# Altium PCB Arcaboard.PcbDoc (part 2 of 2)
Units mm, origin at the board's own origin, x right, y up, seen from the top; angles counter-clockwise.
Board outline 130.94 x 103.89 mm, 2 copper layers (Top Layer, Bottom Layer), stack 1.581 mm thick; 165 components, 115 nets, 564 pads, 574 vias.
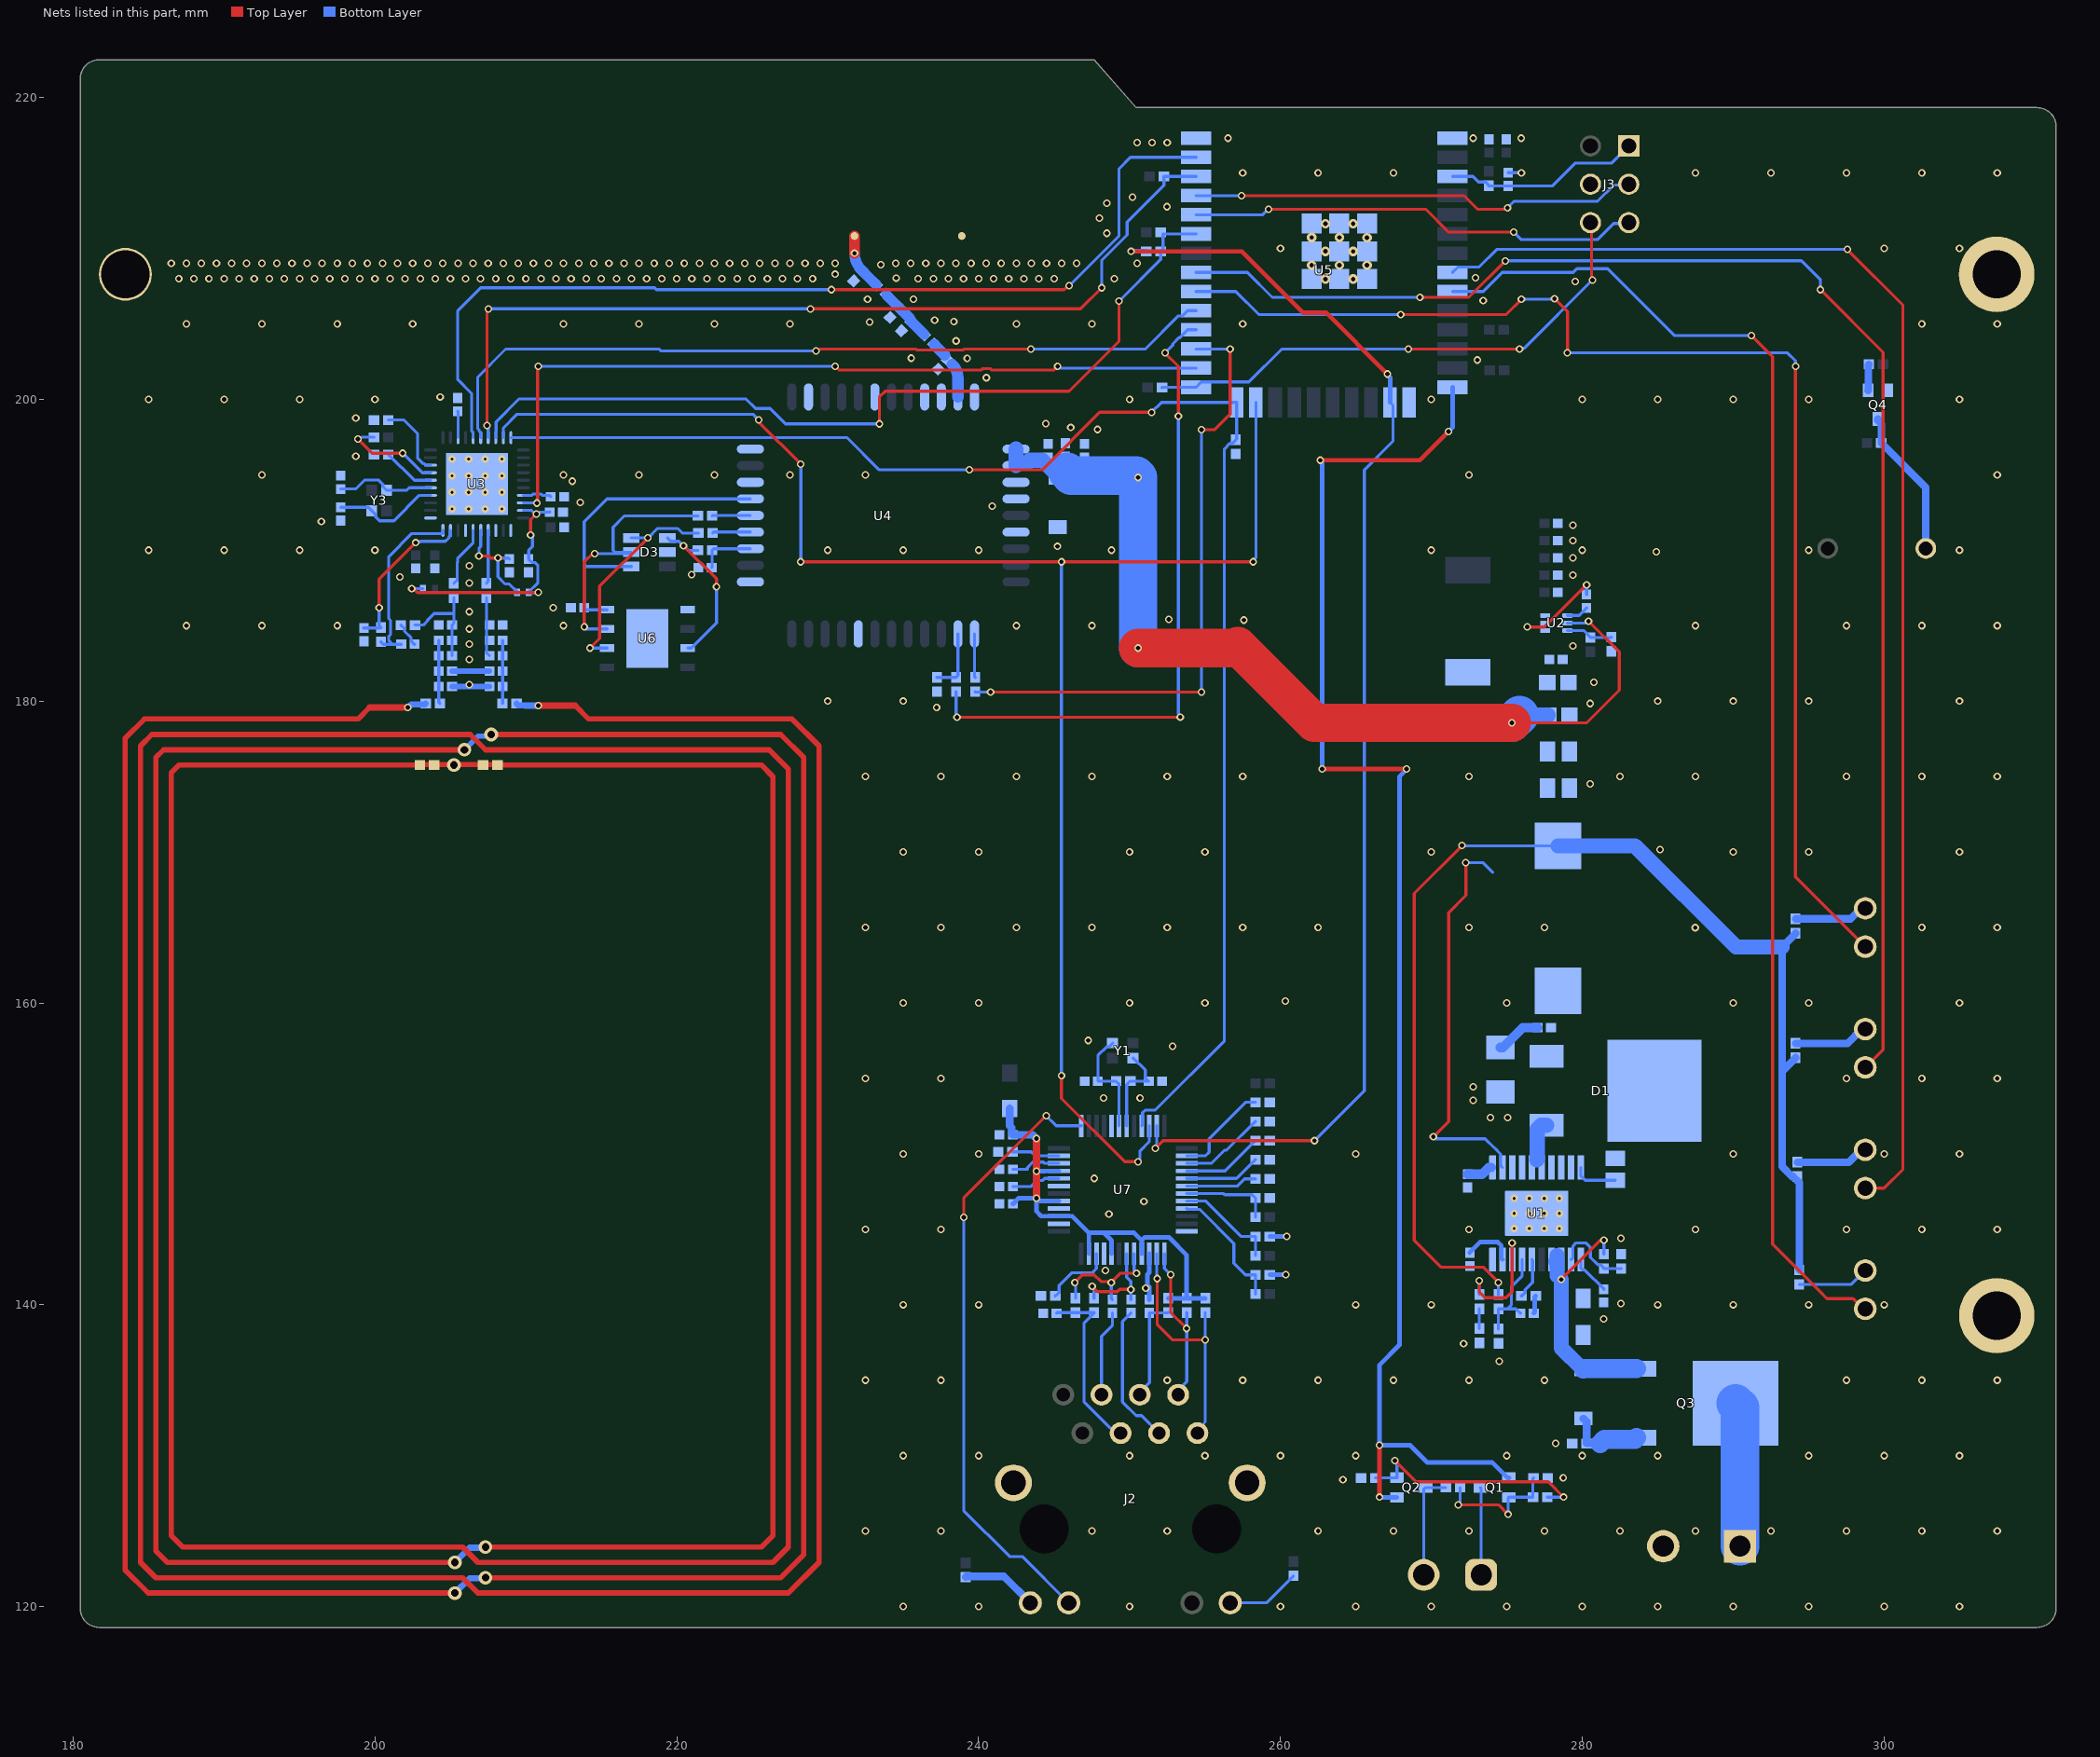
[diagram p2: the nets of this part, all layers, seen from the top]

## Via types
v1: diameter 0.5, hole 0.3, Top Layer to Bottom Layer, tented both sides, 526 vias
v2: diameter 0.5, hole 0.2, Top Layer to Bottom Layer, 28 vias
v3: diameter 0.635, hole 0.3, Top Layer to Bottom Layer, 12 vias
v4: diameter 0.907/0.907 (per signal layer), hole 0.5, Top Layer to Bottom Layer, tented both sides, 7 vias
v5: diameter 0.5, hole 0.3, Top Layer to Bottom Layer, 1 vias

## Nets (pads, with @x,y where several pads share a name; then routed paths per layer and width w, separated by ;. In a path a pad name is that pad's centre, name@x,y a point inside that pad or via, vN(x,y) a via of type N, cw(c..) or ccw(c..) an arc to the next point about the centre after c; other vN are vias at no path point) (continued)
DEBUG_RX: J3.5 U5.34 | length 30.1
  Top Layer w0.2: v1(259.207,212.598) 269.621,212.598 271.145,211.074 v1(275.463,211.074)
  Bottom Layer w0.2: U5.34@254.406,212.224 258.833,212.224 v1(259.207,212.598) ; v1(275.463,211.074) 275.958,210.579 281.011,210.579 282.083,211.651 283.025,211.651 J3.5@283.083,211.709
DEBUG_TX: J3.3 U5.35 | length 29.7
  Top Layer w0.2: v1(257.429,213.487) 272.161,213.487 273.05,212.598 274.955,212.598 275.042,212.685 v1(275.045,212.685)
  Bottom Layer w0.2: U5.35@254.406,213.494 257.422,213.494 v1(257.429,213.487) ; v1(275.045,212.685) 275.479,213.119 281.011,213.119 282.083,214.191 283.025,214.191 J3.3@283.083,214.249
DGND: C2.2 C3.2 C6.2 C7.2 C8.1 C9.1 C10.1 C11.1 C12.1 C13.1 C14.1 C15.1 C16.1 C18.2 C19.2 C20.2 C21.2 C22.2 C25.2 C26.2 C27.2 C28.2 C29.1 C30.1 C31.1 C32.2 C33.1 C34.2 C35.2 C38.2 C39.2 C40.2 C43.2 C44.2 C45.2 C46.2 C47.1 C48.1 C50.2 C51.2 C52.1 C53.1 C54.1 C55.1 C56.1 C57.1 C58.1 C59.1 C60.1 C61.1 C62.1 C63.1 D2.2 D3.2 J1.2 J2.MH1 J2.MH2 J3.4 pad.0 Q4.2 R2.2 R8.2 R9.2 R10.1 R11.2 R13.1 R18.1 R19.1 R20.1 R21.1 R22.1 R26.1 R31.1 R38.1 R42.1 R45.1 R48.1 R53.1 R57.1 R60.1 R61.1 R62.1 R63.2 R64.1 RF_PCB1.2 U1.10 U1.13 U1.14 U1.21 U2.3 U3.1 U3.3 U3.7 U3.11 U3.41 U4.8 U4.13 U4.19 U4.21 U4.23 U4.27 U4.30 U4.31 U4.33 U4.36 U4.37 U4.39 U5.1 U5.15 U5.38 U5.39 U6.1 U6.9 U7.3 U7.9 U7.14 U7.16 U7.19 U7.29 U7.48 | length 16.6
  Top Layer w0.35: 202.971,175.798 208.128,175.798
  Bottom Layer w0.2: C61.1@275.082,215.011 v1(275.971,215.011)
  Bottom Layer w0.3: v1@248.285,142.24 248.373,142.24 v1(248.402,142.269) ; v1(251.079,141.097) 251.117,141.135 251.258,141.135 251.318,141.195 ; 251.187,141.326 251.187,142.003 251.309,142.125 U7.3@251.309,143.383 ; C25.2@251.318,140.339 v1@251.318,141.097 ; R60.1@259.301,141.986 v1(260.35,141.986) ; R61.1@259.301,144.526 260.477,144.526 260.47,144.519 v1(260.414,144.519)
  Bottom Layer w0.356: C30.1@205.105,180.975 206.346,180.975 C26.2@207.586,180.975 ; C31.1@205.105,181.991 206.346,181.991 C27.2@207.586,181.991
  other v1: 235,120 240,120 250,120 260,120 265,120 270,120 275,120 280,120 285,120 290,120 295,120 300,120 305,120 232.5,125 237.5,125 247.5,125 252.5,125 262.5,125 267.5,125 272.5,125 277.5,125 282.5,125 287.5,125 292.5,125 297.5,125 302.5,125 307.5,125 264.139,128.404 278.744,128.531 235,130 240,130 250,130 255,130 260,130 265,130 275,130 280,130 285,130 295,130 300,130 305,130 278.236,130.817 232.5,135 237.5,135 252.5,135 257.5,135 262.5,135 267.5,135 272.5,135 277.5,135 297.5,135 302.5,135 307.5,135 274.492,136.241 272.14,137.421 281.411,139.072 235,140 240,140 265,140 270,140 285,140 290,140 295,140 300,140 282.554,140.088 282.554,144.406 232.5,145 237.5,145 272.5,145 287.5,145 297.5,145 302.5,145 307.5,145 248.638,146.016 250.956,146.846 247.654,148.37 235,150 240,150 265,150 290,150 300,150 305,150 273.918,152.407 275.061,152.407 272.775,153.55 248.289,153.704 250.702,153.704 272.775,154.439 232.5,155 237.5,155 297.5,155 302.5,155 307.5,155 252.861,157.133 247.273,157.514 235,160 240,160 250,160 255,160 275,160 290,160 295,160 305,160 260.319,160.133 232.5,165 237.5,165 242.5,165 247.5,165 252.5,165 257.5,165 262.5,165 272.5,165 277.5,165 287.489,164.989 302.5,165 307.5,165 235,170 240,170 250,170 255,170 270,170 290,170 295,170 305,170 285.159,170.159 280.522,174.505 232.5,175 237.5,175 242.5,175 247.5,175 252.5,175 257.5,175 272.5,175 282.5,175 287.5,175 297.5,175 302.5,175 307.5,175 237.215,179.585 280.522,179.839 230,180 235,180 285,180 290,180 295,180 305,180 206.248,181.102 280.776,181.236 206.248,182.753 279.379,183.649 206.248,183.769 206.248,184.785 187.5,185 192.5,185 197.5,185 212.5,185 242.5,185 247.5,185 287.5,185 297.5,185 302.5,185 307.5,185 257.588,185.367 252.599,185.416 206.248,185.928 211.815,186.189 206.248,187.833 201.655,188.221 279.379,188.348 220.984,188.375 206.248,188.976 279.379,189.491 284.902,189.902 185,190 190,190 195,190 200,190 230,190 235,190 240,190 248.797,190 270,190 280,190 295,190 305,190 245.216,190.253 279.379,190.634 279.379,191.65 196.448,191.904 240.898,192.92 213.593,193.174 213.085,194.571 192.5,195 212.5,195 217.5,195 222.5,195 227.5,195 232.5,195 272.5,195 307.5,195 198.734,196.222 247.883,198 246.105,198.127 244.454,198.381 198.734,198.762 185,200 190,200 195,200 200,200 250,200 270,200 280,200 285,200 290,200 295,200 305,200 204.322,200.159 240.517,201.429 273.054,202.599 239.247,202.699 235.539,202.723 238.506,203.866 187.5,205 192.5,205 197.5,205 202.5,205 212.5,205 217.5,205 222.5,205 227.5,205 242.5,205 247.5,205 257.5,205 302.5,205 307.5,205 232.77,205.112 238.358,205.139 237.088,205.239 273.435,206.536 232.643,206.636 235.691,206.636 279.531,207.806 187,208 188,208 189,208 190,208 191,208 192,208 193,208 194,208 195,208 196,208 197,208 198,208 199,208 200,208 201,208 202,208 203,208 204,208 205,208 206,208 207,208 208,208 209,208 210,208 211,208 212,208 213,208 214,208 215,208 216,208 217,208 218,208 219,208 220,208 221,208 222,208 223,208 224,208 225,208 226,208 227,208 228,208 229,208 236,208 237,208 238,208 239,208 240,208 241,208 242,208 243,208 244,208 245,208 249,208 234.548,208.033 272.927,208.06 230.484,208.287 233.532,208.922 186.5,209 187.5,209 188.5,209 189.5,209 190.5,209 191.5,209 192.5,209 193.5,209 194.5,209 195.5,209 196.5,209 197.5,209 198.5,209 199.5,209 200.5,209 201.5,209 202.5,209 203.5,209 204.5,209 205.5,209 206.5,209 207.5,209 208.5,209 209.5,209 210.5,209 211.5,209 212.5,209 213.5,209 214.5,209 215.5,209 216.5,209 217.5,209 218.5,209 219.5,209 220.5,209 221.5,209 222.5,209 223.5,209 224.5,209 225.5,209 226.5,209 227.5,209 228.5,209 229.5,209 230.5,209 234.5,209 235.5,209 236.5,209 237.5,209 238.5,209 239.5,209 240.5,209 241.5,209 242.5,209 243.5,209 244.5,209 245.5,209 246.5,209 250.5,209 260,210 300,210 305,210 248.5,211 248,212 252.48,212.759 248.5,213 250.194,213.394 257.5,215 262.5,215 267.5,215 287.5,215 292.5,215 297.5,215 302.5,215 307.5,215 250.5,217 251.5,217 252.5,217 256.519,217.304 272.775,217.304 275.95,217.304
  other v2: 275.487,145.05 276.487,145.05 277.487,145.05 278.487,145.05 275.487,146.05 276.487,146.05 277.487,146.05 278.487,146.05 275.487,147.05 276.487,147.05 277.487,147.05 278.487,147.05 205.107,192.736 206.207,192.736 207.307,192.736 208.407,192.736 205.107,193.836 206.207,193.836 207.307,193.836 208.407,193.836 205.107,194.936 206.207,194.936 207.307,194.936 208.407,194.936 205.107,196.036 206.207,196.036 207.307,196.036 208.407,196.036
  other v3: 262.988,207.969 264.823,207.969 262.071,208.887 263.906,208.887 265.741,208.887 262.988,209.804 264.823,209.794 262.071,210.722 263.906,210.721 265.741,210.712 262.988,211.639 264.824,211.639
  other v4: 205.232,175.768
ESP32_EN: C61.2 J3.1 R47.1 U5.3 | length 13.1
  Bottom Layer w0.2: U5.3@271.406,214.764 272.767,214.764 273.126,214.405 273.587,214.405 273.812,214.18 R47.1@273.812,214.155 273.836,214.131 C61.2@275.082,214.131 278.012,214.131 279.527,215.646 281.94,215.646 J3.1@283.083,216.789
ESP32_IO0: J3.6 R58.1 U5.25 | length 35.3
  Top Layer w0.2: v1(268.478,203.327) v1@275.828,203.327 ; J3.6@280.543,211.709 280.613,211.639 280.613,207.956 v1(280.67,207.899)
  Bottom Layer w0.2: R58.1@252.156,200.787 252.163,200.794 U5.25@254.406,200.794 254.756,201.144 257.913,201.144 260.096,203.327 v1(268.478,203.327) ; v1(275.844,203.327) 275.901,203.384 276.155,203.384 v1(280.67,207.899)
FB: C17.1 R12.1 R13.2 U1.7 | length 6.6
  Bottom Layer w0.2: R13.2@274.447,138.397 R12.1@274.447,139.733 275.026,139.733 ; C17.1@275.912,139.446 275.892,139.446 275.605,139.733 275.026,139.733 ; U1.7@276.012,143 276.012,141.9 275.308,141.196 275.308,140.015 275.026,139.733
GSM_CLK: R52.2 U4.16 | length 2.5
  Bottom Layer w0.2: R52.2@222.377,191.135 222.444,191.202 U4.16@224.879,191.202
GSM_DATA: C62.2 R51.2 U4.15 | length 3.7
  Bottom Layer w0.2: C62.2@222.309,188.849 222.344,188.884 R51.2@222.344,189.992 222.454,190.102 U4.15@224.879,190.102
GSM_RST: R54.2 U4.17 | length 2.5
  Bottom Layer w0.2: R54.2@222.344,192.278 222.368,192.302 U4.17@224.879,192.302
GSM_RX: R46.2 U5.28 | length 43.9
  Top Layer w0.2: v1(238.572,178.938) 253.36,178.938 v1(253.365,178.943) ; v1(252.349,203.073) 253.238,202.184 v1(253.238,198.882)
  Bottom Layer w0.2: R46.2@238.506,180.627 238.506,179.07 238.633,178.943 238.628,178.938 v1(238.572,178.938) ; v1(252.349,203.073) 252.864,203.588 252.864,203.667 253.282,204.084 253.336,204.084 253.856,204.604 U5.28@254.406,204.604 ; v1(253.238,198.882) 253.238,179.151 253.365,179.024 v1(253.365,178.943)
GSM_TX: R44.2 U5.27 | length 41.3
  Top Layer w0.2: v1(240.792,180.594) v1(254.762,180.594) ; v1(254.762,197.993) 255.651,197.993 256.667,199.009 v1(256.667,203.327)
  Bottom Layer w0.2: R44.2@239.776,180.627 239.809,180.594 v1(240.792,180.594) ; U5.27@254.406,203.334 256.66,203.334 v1(256.667,203.327) ; v1(254.762,180.594) v1(254.762,197.993)
GSM_VCC: C63.2 D3.4 U4.18 U6.8 | length 22.1
  Bottom Layer w0.2: U6.8@215.384,186.055 213.995,186.055 C63.2@213.868,186.182 213.868,189.04 ; D3.4@216.986,188.915 213.992,188.915 213.868,189.04 ; U4.18@224.879,193.402 215.373,193.402 213.868,191.897 213.868,189.04
LED_0: D5.2 U5.30 | length 84.8
  Top Layer w0.2: v1(267.97,205.613) 274.955,205.613 v1(275.971,206.629) ; v1(278.161,206.674) 279.019,205.815 v1(279.019,203.073) ; v1(294.132,202.184) 294.132,168.353 D5.2@298.755,163.73
  Bottom Layer w0.2: U5.30@254.406,207.144 257.041,207.144 258.572,205.613 v1(267.97,205.613) ; v1(275.971,206.629) 278.116,206.629 v1(278.161,206.674) ; v1(279.019,203.073) 293.608,203.073 294.126,202.556 294.126,202.19 v1(294.132,202.184)
LED_1: D6.2 U5.31 | length 98
  Top Layer w0.2: v1(269.24,206.756) 272.487,206.756 v1(274.906,209.175) ; v1(295.783,207.264) 299.935,203.112 299.935,156.91 D6.2@298.755,155.73
  Bottom Layer w0.2: U5.31@254.406,208.414 257.803,208.414 259.461,206.756 v1(269.24,206.756) ; v1(274.906,209.175) 294.519,209.175 295.783,207.911 v1(295.783,207.264)
LED_2: D7.2 U5.8 | length 92.3
  Top Layer w0.2: v1(297.561,209.931) 301.244,206.248 301.244,148.971 300.003,147.73 D7.2@298.755,147.73
  Bottom Layer w0.2: U5.8@271.406,208.414 271.756,208.764 273.153,208.764 274.32,209.931 v1(297.561,209.931)
LED_3: D8.2 U5.9 | length 91
  Top Layer w0.2: v1(291.211,204.216) 292.608,202.819 292.608,144.008 295.783,140.833 296.21,140.406 297.946,140.406 298.622,139.73 D8.2@298.755,139.73
  Bottom Layer w0.2: U5.9@271.406,207.144 273.438,207.144 274.701,208.407 279.4,208.407 279.654,208.661 281.686,208.661 286.131,204.216 v1(291.211,204.216)
LINKLED: J2.11 U7.25 | length 40.5
  Top Layer w0.2: v1(239.014,145.796) 239.014,147.066 v1(244.475,152.527)
  Bottom Layer w0.2: v1(239.014,145.796) 239.014,126.365 242.062,123.317 242.896,123.317 J2.11@245.966,120.247 ; v1(244.475,152.527) 245.143,151.859 U7.25@246.809,151.859
NetBUZ1_2: BUZ1.2 Q4.3 R65.2 | length 9.9
  Bottom Layer w0.5: Q4.3@299.593,198.694 299.593,198.594 299.814,198.373 R65.2@299.814,197.104 302.767,194.151 BUZ1.2@302.767,190.119
NetC1_1: C1.1 U1.20 | length 3
  Bottom Layer w0.2: U1.20@279.912,149.1 279.912,148.525 280.192,148.245 C1.1@282.194,148.245
NetC4_1: C4.1 L2.1 U2.2 | length 5.7
  Top Layer w0.2: v1(276.352,184.912) 277.495,184.912 v1(280.289,187.706)
  Bottom Layer w0.2: C4.1@280.289,187.062 v1(280.289,187.706)
NetC4_2: C4.2 U2.4 | length 1.5
  Bottom Layer w0.2: U2.4@279.019,185.674 279.801,185.674 280.289,186.162 C4.2@280.289,186.182
NetC5_2: C5.2 R57.2 | length 3
  Bottom Layer w0.635: R57.2@274.574,157.05 274.749,157.05 276.061,158.361 277.047,158.361 C5.2@277.055,158.369
NetC16_2: C16.2 U1.1 | length 2.7
  Bottom Layer w0.2: U1.1@279.912,143 279.912,142.425 280.037,142.3 280.181,142.3 281.432,141.049 C16.2@281.432,141.029
NetC17_2: C17.2 R7.2 | length 1.2
  Bottom Layer w0.3: C17.2@276.792,139.446 276.856,139.51 276.856,140.524 R7.2@276.921,140.589
NetC18_1: C18.1 U1.9 | length 3.4
  Bottom Layer w0.3: C18.1@272.542,143.442 272.542,143.462 273.23,144.15 274.403,144.15 274.637,143.916 274.637,143.075 U1.9@274.712,143
NetC19_1: C19.1 U1.11 | length 1.7
  Bottom Layer w0.635: C19.1@272.415,148.649 273.363,148.649 273.814,149.1 U1.11@273.97,149.1
NetC23_1: C23.1 C24.1 C26.1 C27.1 R24.1 | length 4.2
  Bottom Layer w0.2: R24.1@208.44,179.832 208.466,179.858 C26.1@208.466,180.975 C27.1@208.466,181.991 C23.1@208.466,183.007 C24.1@208.466,184.023
NetC23_2: C23.2 C24.2 C28.1 R28.1 | length 3.9
  Bottom Layer w0.2: R28.1@207.391,186.85 207.391,183.202 C23.2@207.586,183.007
NetC29_2: C29.2 C36.1 C37.1 R35.1 R39.1 | length 6.8
  Bottom Layer w0.2: R39.1@202.659,185.039 203.2,185.039 203.485,185.324 203.485,185.364 203.923,185.801 205.232,185.801 ; C36.1@205.105,183.007 C37.1@205.105,184.023 C29.2@205.105,185.039 205.232,185.166 205.232,185.801 ; R35.1@205.232,186.85 205.232,185.801
NetC30_2: C30.2 C31.2 C36.2 C37.2 R37.2 | length 4.2
  Bottom Layer w0.2: C37.2@204.225,184.023 C36.2@204.225,183.007 C31.2@204.225,181.991 C30.2@204.225,180.975 204.225,179.917 R37.2@204.31,179.832
NetC39_1: C39.1 U3.37 | length 1.9
  Bottom Layer w0.2: U3.37@209.832,193.636 210.393,193.636 210.484,193.727 210.985,193.727 211.076,193.636 211.562,193.636 C39.1@211.65,193.548
NetC40_1: C40.1 U3.23 | length 1.8
  Bottom Layer w0.2: C40.1@205.486,199.204 205.507,199.183 U3.23@205.507,197.461
NetC42_1: C42.1 R39.2 | length 1.7
  Bottom Layer w0.2: R39.2@201.709,185.039 201.734,185.039 201.959,184.814 201.959,184.618 202.394,184.183 202.394,183.979 202.604,183.769 C42.1@202.624,183.769
NetC47_2: C47.2 U7.20 | length 3.3
  Bottom Layer w0.2: C47.2@242.27,147.828 243.459,147.828 243.871,148.24 244.252,148.24 244.383,148.371 U7.20@245.321,148.371
NetC50_1: C50.1 FB1.1 U3.5 | length 7.1
  Top Layer w0.2: v1(206.883,189.611) 207.553,189.611 207.68,189.484 v1(208.153,189.484) 208.407,189.484
  Bottom Layer w0.2: v1(206.883,189.611) 206.907,189.635 206.907,190.161 207.007,190.261 U3.5@207.007,191.311 ; C50.1@208.915,189.416 208.847,189.484 v1(208.153,189.484) 208.153,188.234 208.625,187.762 208.89,187.762 209.404,187.248 FB1.1@209.404,187.198
NetC57_2: C57.2 R49.2 U4.32 | length 3.2
  Bottom Layer w0.75: R49.2@237.064,203.626 237.744,202.946 ; 238.252,202.311 cw(c237.342,201.401) 238.629,201.401 U4.32@238.629,200.152
NetC58_2: C58.2 C59.2 R49.1 R50.2 | length 3.6
  Bottom Layer w0.7: R50.2@233.889,206.915 C59.2@234.753,206.051 235.425,205.379 cw(c235.209,205.162) C58.2@235.515,205.162 ; C58.2@235.528,205.162 R49.1@236.392,204.298
NetC60_2: C60.2 R50.1 RF_PCB1.1 | length 3.7
  Top Layer w0.7: v1(231.775,209.677) RF_PCB1.1@231.775,210.82
  Bottom Layer w0.7: v1(231.775,209.677) ccw(c233.339,209.677) 232.233,208.571 C60.2@232.34,208.464 ; C60.2@232.353,208.464 R50.1@233.217,207.6
NetD1_1: D1.1 D1.3 U1.15 U1.16 | length 2.9
  Bottom Layer w0.5: 276.987,149.425 276.987,149.606
  Bottom Layer w1: 276.987,149.606 277.017,149.636 277.017,151.636 277.279,151.898 D1.1@277.634,151.898
NetD4_2: D4.2 Q3.1 R48.2 | length 5.2
  Bottom Layer w0.5: D4.2@280.068,132.461 280.084,132.461 280.289,132.256 R48.2@280.289,130.81 281.178,130.81
  Bottom Layer w1.27: 281.178,130.81 281.454,131.086 283.5,131.086 Q3.1@283.605,131.191
NetD5_1: D5.1 R67.2 | length 4.9
  Bottom Layer w0.5: R67.2@294.132,165.575 297.79,165.575 298.484,166.27 D5.1@298.755,166.27
NetD6_1: D6.1 R68.2 | length 5
  Bottom Layer w0.5: R68.2@294.132,157.32 297.583,157.32 298.533,158.27 D6.1@298.755,158.27
NetD7_1: D7.1 R69.2 | length 4.8
  Bottom Layer w0.5: R69.2@294.259,149.446 297.661,149.446 298.484,150.27 D7.1@298.755,150.27
NetD8_1: D8.1 R70.2 | length 4.7
  Bottom Layer w0.2: R70.2@294.386,141.351 297.836,141.351 D8.1@298.755,142.27
NetJ1_1: J1.1 Q3.2 | length 9.6
  Bottom Layer w2.54: Q3.2@290.155,133.477 290.449,133.183 J1.1@290.449,124
NetJ2_9: J2.9 R29.2 | length 4.9
  Bottom Layer w0.2: J2.9@256.676,120.247 259.083,120.247 260.858,122.022 R29.2@260.858,122.047
NetJ2_12: J2.12 R32.2 | length 5
  Bottom Layer w0.508: R32.2@239.141,121.953 239.188,122 241.673,122 J2.12@243.426,120.247
NetJ4_1: J4.1 Q1.3 | length 5.8
  Bottom Layer w0.2: Q1.3@273.243,127.889 273.304,127.828 J4.1@273.304,122.104
NetJ4_2: J4.2 Q2.3 R3.1 | length 7.2
  Bottom Layer w0.2: J4.2@269.494,122.104 269.494,127.762 Q2.3@269.621,127.889 R3.1@270.957,127.889
NetQ1_2: Q1.2 R3.2 R6.2 R8.1 | length 8.8
  Top Layer w0.2: v1(271.78,126.746) 274.447,126.746 v1(275.082,126.111)
  Bottom Layer w0.2: v1(271.78,126.746) 271.907,126.873 R3.2@271.907,127.889 ; v1(275.082,126.111) 275.082,127.178 Q1.2@275.143,127.239 275.158,127.254 R6.2@276.733,127.254 276.733,128.491 R8.1@276.766,128.524
NetQ2_2: Q2.2 R6.1 R9.1 | length 15.9
  Top Layer w0.2: v1(267.589,129.667) 268.986,128.27 277.749,128.27 v1(278.765,127.254)
  Bottom Layer w0.2: R9.1@266.286,128.524 266.301,128.539 Q2.2@267.721,128.539 267.721,129.454 267.589,129.586 v1(267.589,129.667) ; R6.1@277.683,127.254 v1(278.765,127.254)
NetQ4_1: Q4.1 R66.1 | length 1.7
  Bottom Layer w0.5: Q4.1@298.943,200.594 298.967,200.618 298.967,202.287 R66.1@298.991,202.311
NetR4_1: R4.1 R10.2 U2.6 | length 3.1
  Bottom Layer w0.2: U2.6@279.019,184.674 280.105,184.674 280.543,184.236 R4.1@280.543,184.211 281.907,184.211 R10.2@281.94,184.244
NetR5_1: R5.1 U1.8 | length 8.5
  Top Layer w0.2: v1(273.177,141.605) 273.177,140.843 273.558,140.462 274.955,140.462 275.353,140.86 v1(275.353,144.1)
  Bottom Layer w0.2: R5.1@273.177,140.683 v1(273.177,141.605) ; v1(275.353,144.1) 275.362,144.091 U1.8@275.362,143
NetR5_2: R5.2 R11.1 | length 1.3
  Bottom Layer w0.2: R11.1@273.177,138.43 R5.2@273.177,139.733
NetR7_1: R7.1 U1.6 | length 2.8
  Bottom Layer w0.2: R7.1@275.971,140.589 275.996,140.589 276.221,140.814 276.221,140.988 276.711,141.478 276.711,142.951 U1.6@276.662,143
NetR18_2: R18.2 U7.42 | length 4.7
  Bottom Layer w0.2: U7.42@253.797,147.871 257.157,147.871 257.622,148.336 R18.2@258.351,148.336
NetR19_2: R19.2 U7.41 | length 5.1
  Bottom Layer w0.2: U7.41@253.797,148.371 257.091,148.371 258.326,149.606 R19.2@258.351,149.606
NetR20_2: R20.2 U7.40 | length 5.4
  Bottom Layer w0.2: U7.40@253.797,148.871 256.321,148.871 258.326,150.876 R20.2@258.351,150.876
NetR21_2: R21.2 U7.39 | length 5.7
  Bottom Layer w0.2: U7.39@253.797,149.371 255.416,149.371 256.286,150.241 256.421,150.241 258.326,152.146 R21.2@258.351,152.146
NetR22_2: R22.2 U7.38 | length 6.5
  Bottom Layer w0.2: U7.38@253.797,149.871 255.027,149.871 255.27,150.114 255.27,151.003 257.683,153.416 R22.2@258.351,153.416
NetR24_2: R24.2 R63.1 | length 381.1
  Top Layer w0.356: R63.1@202.979,175.768 202.971,175.76 187.006,175.76 186.498,175.252 186.498,124.706 187.26,123.944 205.802,123.944 206.818,122.928 226.376,122.928 227.392,123.944 227.392,175.506 226.122,176.776 207.326,176.776 206.31,177.792 185.228,177.792 184.466,177.03 184.466,122.928 185.482,121.912 205.802,121.912 206.818,120.896 227.392,120.896 229.424,122.928 229.424,177.03 227.638,178.816 214.166,178.816 213.277,179.705
  Top Layer w0.406: v1(210.824,179.705) 213.277,179.705
  Bottom Layer w0.406: R24.2@209.39,179.832 209.512,179.71 209.959,179.71 209.964,179.705 v1(210.824,179.705)
NetR26_2: R26.2 U3.16 | length 3.5
  Bottom Layer w0.2: R26.2@200.881,196.342 200.906,196.342 202.612,194.636 U3.16@203.682,194.636
NetR27_2: R27.2 U3.17 | length 6.8
  Top Layer w0.2: v1(198.882,197.358) 199.812,196.428 v1(201.828,196.428)
  Bottom Layer w0.2: v1(198.882,197.358) 198.963,197.358 199.09,197.485 R27.2@199.931,197.485 ; v1(201.828,196.428) 201.844,196.428 203.136,195.136 U3.17@203.682,195.136
NetR28_2: R28.2 U3.4 | length 3.6
  Bottom Layer w0.2: R28.2@207.391,187.8 207.507,187.916 U3.4@207.507,191.311
NetR31_2: R31.2 U3.18 | length 5
  Bottom Layer w0.2: R31.2@200.881,198.628 201.93,198.628 202.819,197.739 202.819,196.108 203.191,195.736 203.257,195.736 203.357,195.636 U3.18@203.682,195.636
NetR35_2: R35.2 U3.6 | length 4
  Bottom Layer w0.2: R35.2@205.232,187.8 205.457,188.025 205.457,189.201 205.486,189.23 205.486,189.484 206.507,190.505 U3.6@206.507,191.311
NetR37_1: R37.1 R64.2 | length 382.9
  Top Layer w0.356: 199.644,179.578 198.882,178.816 184.728,178.816 183.45,177.538 183.45,122.42 184.974,120.896 v4(205.294,120.896) ; v4(205.294,122.928) 186.244,122.928 185.482,123.69 185.482,176.268 185.99,176.776 v4(205.929,176.776) ; v4(207.326,121.912) 226.884,121.912 228.408,123.436 228.408,176.268 226.884,177.792 v4(207.707,177.792) ; v4(207.326,123.944) 225.614,123.944 226.376,124.706 226.376,174.998 225.614,175.76 208.128,175.76 R64.2@208.12,175.768
  Top Layer w0.406: 199.644,179.578 v1(202.181,179.578)
  Bottom Layer w0.356: v4(205.929,176.776) 206.84,177.687 207.602,177.687 v4(207.707,177.792)
  Bottom Layer w0.406: v1(202.181,179.578) 202.206,179.578 202.4,179.772 203.3,179.772 R37.1@203.36,179.832 ; v4(205.294,120.896) 206.263,121.865 v4@207.279,121.865 ; v4(205.294,122.928) 206.263,123.897 v4@207.279,123.897
NetR38_2: R38.2 U7.10 | length 4.7
  Bottom Layer w0.2: R38.2@245.077,140.589 245.102,140.589 245.327,140.814 245.327,141.279 246.161,142.113 247.523,142.113 247.809,142.399 U7.10@247.809,143.383
NetR42_2: R42.2 U7.23 | length 3.2
  Bottom Layer w0.2: R42.2@242.25,150.129 243.488,150.129 243.746,149.871 U7.23@245.321,149.871
NetR44_1: R44.1 U4.1 | length 2.9
  Bottom Layer w0.2: U4.1@239.729,184.452 239.729,181.624 R44.1@239.776,181.577
NetR45_2: R45.2 R46.1 U4.2 | length 4.2
  Bottom Layer w0.2: R45.2@237.236,181.577 R46.1@238.506,181.577 238.629,181.7 U4.2@238.629,184.452
NFC_IRQ: U3.25 U5.37 | length 64.7
  Top Layer w0.2: v1(230.251,207.264) 245.664,207.264 245.918,207.518 v1(245.999,207.518)
  Bottom Layer w0.2: U3.25@206.507,197.461 206.507,197.786 206.407,197.886 206.407,200.374 205.486,201.295 205.486,205.867 207.01,207.391 218.526,207.391 218.653,207.264 v1(230.251,207.264) ; v1(245.999,207.518) 249.301,210.82 249.301,215.265 250.07,216.034 U5.37@254.406,216.034
NFC_PDN: U3.38 U5.26 | length 53.9
  Top Layer w0.2: v1(210.735,193.123) 210.777,193.166 210.777,202.141 v1(210.82,202.184) ; v1(230.505,202.184) 230.518,202.184 230.772,201.93 240.163,201.93 240.266,202.033 240.767,202.033 240.87,201.93 244.97,201.93 245.224,202.184 v1(245.237,202.184)
  Bottom Layer w0.2: U3.38@209.832,193.136 210.662,193.136 210.693,193.167 210.693,193.165 v1(210.735,193.123) ; v1(210.82,202.184) v1(230.505,202.184) ; v1@245.237,202.064 U5.26@254.406,202.064
NFC_RST: U3.26 U5.29 | length 53.7
  Top Layer w0.2: v1(229.235,203.2) 229.316,203.2 229.443,203.327 235.869,203.327 235.934,203.262 238.955,203.262 239.02,203.327 v1(243.459,203.327)
  Bottom Layer w0.2: U3.26@207.007,197.461 207.007,197.786 206.907,197.886 206.907,197.951 206.807,198.051 206.807,201.473 208.661,203.327 218.844,203.327 218.971,203.2 v1(229.235,203.2) ; v1(243.459,203.327) 251.044,203.327 253.241,205.524 253.506,205.524 253.856,205.874 U5.29@254.406,205.874
NFC_VCC: C38.1 C51.1 FB1.2 FB2.2 U3.39 | length 17.8
  Top Layer w0.2: v1(202.438,187.452) 202.519,187.452 202.646,187.325 202.692,187.325 202.819,187.198 v1(210.82,187.198) ; v1(210.312,191.008) 210.312,192.024 v1(210.693,192.405)
  Bottom Layer w0.2: v1(202.438,187.452) FB2.2@203.181,187.452 ; U3.39@209.832,192.636 210.368,192.636 210.484,192.519 210.693,192.519 210.75,192.462 210.832,192.462 210.888,192.519 210.985,192.519 211.569,192.519 C38.1@211.582,192.532 ; v1(210.312,191.008) 210.439,190.881 210.439,190.246 210.185,189.992 C51.1@210.185,189.416 210.185,189.396 210.395,189.186 210.599,189.186 210.795,188.99 210.795,187.839 210.204,187.248 FB1.2@210.204,187.198 v1(210.82,187.198)
OUT: C6.1 C7.1 C13.2 C14.2 C15.2 C52.2 C53.2 C54.2 D2.1 L1.2 R12.2 R67.1 R68.1 R69.1 R70.1 U1.12 U2.1 U2.5 U4.34 U4.35 | length 176
  Top Layer w0.2: v1(270.129,151.13) 271.145,152.146 271.145,165.989 272.288,167.132 v1(272.288,169.291) ; v1(272.034,170.434) 268.859,167.259 268.859,144.272 270.637,142.494 273.431,142.494 v1(274.447,141.478) ; v1(275.336,178.562) 280.289,178.562 282.448,180.721 282.448,183.261 v1(280.416,185.293)
  Top Layer w2.54: v5(250.571,183.515) 257.048,183.515 257.175,183.642 262.255,178.562 v1(275.336,178.562)
  Bottom Layer w0.2: v1(270.129,151.13) 270.256,151.003 273.558,151.003 274.193,150.368 274.214,150.368 274.587,149.995 274.587,149.225 U1.12@274.712,149.1 ; v1(272.034,170.434) 272.06,170.408 L1.2@278.384,170.408 ; v1(272.288,169.291) 273.431,169.291 274.066,168.656 ; R12.2@274.447,140.683 v1(274.447,141.478) ; U2.5@279.019,185.174 280.297,185.174 v1(280.416,185.293)
  Bottom Layer w0.5: R68.1@294.132,156.37 294.132,156.345 293.243,155.456 ; R67.1@294.132,164.625 294.132,164.6 293.243,163.711 293.243,155.456 ; R70.1@294.386,142.301 294.386,148.082 293.972,148.496 293.898,148.496 293.243,149.151 293.243,155.456
  Bottom Layer w1: U4.34@242.479,196.702 U4.35@242.479,195.602 242.679,195.802 243.234,195.802 243.393,195.961 244.221,195.961 244.983,195.199 245.872,195.199 ; 275.844,179.07 C13.2@277.745,179.07 ; L1.2@278.384,170.408 283.49,170.408 290.187,163.711 293.243,163.711
  Bottom Layer w2.54: 245.872,195.199 246.126,194.945 250.444,194.945 v1(250.571,194.818) v5(250.571,183.515) ; v1(275.336,178.562) 275.844,179.07
PMODE0: R30.1 R60.2 U7.45 | length 8.4
  Bottom Layer w0.2: U7.45@253.797,146.371 253.847,146.321 254.659,146.321 256.921,144.059 256.921,142.748 257.683,141.986 R60.2@258.351,141.986 R30.1@258.351,140.716
PMODE1: R33.1 R61.2 U7.44 | length 6.8
  Bottom Layer w0.2: U7.44@253.797,146.871 255.07,146.871 257.415,144.526 R61.2@258.351,144.526 R33.1@258.351,143.256
PMODE2: R59.1 R62.2 U7.43 | length 6
  Bottom Layer w0.2: U7.43@253.797,147.371 256.228,147.371 256.308,147.291 258.126,147.291 R62.2@258.351,147.066 R59.1@258.351,145.796
PRE: C1.2 C5.1 D1.4 L1.1 U1.17 U1.18 U1.19
RCT: C43.1 J2.5 R40.2 R43.1 | length 12
  Bottom Layer w0.2: C43.1@245.169,139.446 245.202,139.479 R43.1@246.422,139.479 R40.2@247.65,139.479 247.65,139.454 246.993,138.797 246.993,133.559 248.712,131.84 248.736,131.84 249.079,131.497 J2.5@249.416,131.497
REMOTE_ON_OFF_CTL: Q1.1 Q2.1 U5.14 | length 98
  Top Layer w0.3: v1(262.636,195.961) 269.24,195.961 v1(271.145,197.866) ; v1(262.763,175.514) v1(268.351,175.514) ; v1(266.573,127.254) v1(266.573,130.683)
  Bottom Layer w0.3: v1(262.636,195.961) 262.636,195.907 262.763,195.78 v1(262.763,175.514) ; v1(266.573,127.254) 266.588,127.239 Q2.1@267.721,127.239 ; v1(268.351,175.514) 268.351,175.46 267.887,174.996 267.887,137.331 266.573,136.017 v1(266.573,130.683) 268.605,130.683 269.748,129.54 274.042,129.54 275.043,128.539 Q1.1@275.143,128.539 ; v1(271.145,197.866) 271.406,198.127 U5.14@271.406,200.794
RX: C42.2 R41.1 U3.10 | length 11.8
  Bottom Layer w0.2: R41.1@200.406,183.929 200.566,183.769 201.059,183.769 201.155,183.769 ; C42.2@201.744,183.769 201.155,183.769 ; U3.10@204.507,191.311 204.507,191.104 202.442,191.104 200.914,189.576 200.914,185.47 201.031,185.353 201.031,184.405 200.914,184.288 200.914,184.01 201.155,183.769
RXN: C49.1 R43.2 U7.5 | length 8.3
  Top Layer w0.2: v1(246.38,141.478) 246.888,141.986 247.65,141.986 248.101,141.535 248.736,141.535 v1(248.793,141.478) 249.408,142.093 v1(250.463,142.093)
  Bottom Layer w0.2: v1(246.38,141.478) 246.422,141.436 R43.2@246.422,140.429 ; v1(248.793,141.478) 248.793,140.409 C49.1@248.863,140.339 ; U7.5@250.309,143.383 250.309,142.248 v1@250.463,142.094
RXNNET: C49.2 J2.6 | length 5.7
  Bottom Layer w0.2: J2.6@248.146,134.05 248.146,137.91 248.863,138.627 C49.2@248.863,139.459
RXP: C41.1 R40.1 U7.6 | length 6.8
  Top Layer w0.2: v1(247.523,141.224) 247.873,140.874 249.204,140.874 249.348,141.018 v1(250.09,141.018)
  Bottom Layer w0.2: v1(247.523,141.224) 247.523,141.143 247.65,141.016 R40.1@247.65,140.429 ; U7.6@249.809,143.383 249.809,141.823 250.09,141.542 v1(250.09,141.018) C41.1@250.09,140.339
RXPNET: C41.2 J2.3 | length 9.4
  Bottom Layer w0.2: C41.2@250.09,139.459 250.09,139.439 249.533,138.882 249.533,133.559 250.445,132.647 250.806,132.647 J2.3@251.956,131.497
SCL: R55.1 U3.27 U5.36 | length 61
  Top Layer w0.2: v1(207.422,198.266) 207.422,205.898 v1(207.518,205.994) ; v1(228.854,205.994) 246.761,205.994 v1(248.158,207.391)
  Bottom Layer w0.2: v1(207.422,198.266) 207.422,198.216 207.507,198.131 U3.27@207.507,197.461 ; v1(207.518,205.994) v1(228.854,205.994) ; v1(248.158,207.391) 248.158,209.215 249.838,210.894 249.838,211.738 252.283,214.183 R55.1@252.283,214.757 252.29,214.764 U5.36@254.406,214.764
SD: R1.1 R2.1 U1.2 | length 5.3
  Bottom Layer w0.2: U1.2@279.262,143 279.387,143.125 279.387,143.895 279.592,144.1 280.232,144.1 280.543,143.789 280.543,143.14 281.033,142.65 281.207,142.65 281.432,142.425 R1.1@281.432,142.4 R2.1@282.575,142.4
SDA: R25.2 R56.1 U3.28 U5.33 | length 57.5
  Top Layer w0.2: v1(233.426,198.374) 233.426,200.152 233.807,200.533 245.999,200.533 249.301,203.835 v1(249.301,206.502)
  Bottom Layer w0.2: U3.28@208.007,197.461 208.007,197.786 208.026,197.805 208.026,198.501 209.55,200.025 224.594,200.025 225.229,199.39 226.187,199.39 227.203,198.374 v1(233.426,198.374) ; v1(249.301,206.502) 252.062,209.263 R25.2@252.062,209.804 252.222,209.964 252.222,210.947 252.229,210.954 U5.33@254.406,210.954
SIM_CLK: D3.6 R52.1 U6.6 | length 14.9
  Top Layer w0.2: v1(214.249,183.515) 214.884,184.15 214.884,187.612 v1(218.087,190.815)
  Bottom Layer w0.2: v1(214.249,183.515) U6.6@215.384,183.515 ; D3.6@216.986,190.815 v1(218.087,190.815) 218.712,191.44 220.06,191.44 220.365,191.135 R52.1@221.427,191.135
SIM_DATA: D3.1 R51.1 U6.3 | length 11
  Top Layer w0.2: v1(220.445,190.291) 222.631,188.105 v1(222.631,187.579)
  Bottom Layer w0.2: D3.1@219.386,190.815 219.611,190.59 220.146,190.59 v1(220.445,190.291) 220.744,189.992 R51.1@221.394,189.992 ; U6.3@220.734,183.515 220.964,183.515 222.631,185.182 v1(222.631,187.579)
SIM_RST: D3.5 R54.1 U6.7 | length 18.1
  Top Layer w0.2: v1(213.868,184.912) 213.868,189.23 214.503,189.865 214.503,189.835 v1(214.563,189.775)
  Bottom Layer w0.2: v1(213.868,184.912) 213.995,184.785 U6.7@215.384,184.785 ; v1(214.563,189.775) 216.896,189.775 D3.5@216.986,189.865 215.9,189.865 215.773,189.992 215.773,191.516 216.535,192.278 R54.1@221.394,192.278
SPI-MISO: U3.29 U5.23 U7.34 | length 114.3
  Top Layer w0.2: v1(225.425,198.628) 225.425,198.501 v1(228.219,195.707) ; v1(228.219,189.23) v1(245.491,189.23) v1(258.191,189.23) ; v1(245.491,155.182) 245.491,153.67 249.682,149.479 v1(250.571,149.479)
  Bottom Layer w0.2: U3.29@208.507,197.461 208.507,198.093 209.423,199.009 225.044,199.009 v1(225.425,198.628) ; v1(228.219,189.23) v1(228.219,195.707) ; v1(245.491,155.182) v1(245.491,189.23) ; v1(250.571,149.479) 250.581,149.479 250.698,149.596 250.698,150.206 251.309,150.817 U7.34@251.309,151.859 ; v1(258.191,189.23) 258.191,189.311 258.376,189.496 U5.23@258.376,199.794
SPI-MOSI: R25.1 U5.16 U7.35 | length 86.7
  Top Layer w0.2: v1(251.714,150.368) 252.222,150.876 v1(262.255,150.876)
  Top Layer w0.3: v1(250.113,209.801) 257.432,209.801 261.493,205.74 263.017,205.74 v1(267.081,201.676)
  Bottom Layer w0.2: v1(251.714,150.368) 251.809,150.463 U7.35@251.809,151.859 ; v1(262.255,150.876) 265.557,154.178 265.557,195.326 267.462,197.231 267.462,199.598 U5.16@267.266,199.794
  Bottom Layer w0.3: v1(250.113,209.801) 250.187,209.801 250.19,209.804 R25.1@251.112,209.804 ; v1(267.081,201.676) 267.081,201.622 267.266,201.437 U5.16@267.266,199.794
SPI-SCLK: R53.2 U3.30 U5.24 U7.33 | length 101.9
  Top Layer w0.2: v1(239.395,195.326) 244.221,195.326 248.031,199.136 v1(251.46,199.136)
  Bottom Layer w0.2: U3.30@209.007,197.461 231.291,197.461 233.426,195.326 v1(239.395,195.326) ; U7.33@250.809,151.859 250.859,151.909 250.859,152.721 251.035,152.897 251.703,152.897 256.286,157.48 256.286,196.712 256.649,197.075 256.823,197.075 257.048,197.3 R53.2@257.048,197.325 257.106,197.383 U5.24@257.106,199.794 252.118,199.794 v1(251.46,199.136)
TCT: C25.1 J2.4 R17.2 | length 6.9
  Bottom Layer w0.2: J2.4@250.686,134.037 250.686,134.22 251.318,134.852 C25.1@251.318,139.459 252.541,139.459 R17.2@252.561,139.479
TXN: J2.2 R16.2 U7.1 | length 11.2
  Top Layer w0.2: v1(252.73,141.986) 252.73,139.488 v1(253.788,138.43)
  Bottom Layer w0.2: U7.1@252.309,143.383 252.309,142.407 v1(252.73,141.986) ; J2.2@253.226,134.037 253.226,134.359 253.788,134.921 v1(253.788,138.43) R16.2@253.788,139.479
TXP: J2.1 R15.2 U7.2 | length 16.5
  Top Layer w0.2: v1(251.841,141.732) 251.841,138.684 252.857,137.668 v1(255.016,137.668)
  Bottom Layer w0.2: U7.2@251.809,143.383 251.809,141.764 v1(251.841,141.732) ; J2.1@254.496,131.497 254.496,131.717 255.016,132.237 v1(255.016,137.668) R15.2@255.016,139.479
V_IN: C2.1 C3.1 D4.1 Q3.3 R1.2 U1.3 U1.4 | length 16.7
  Top Layer w0.2: v1(278.601,141.675) 281.198,144.272 v1(281.432,144.272)
  Bottom Layer w0.2: R1.2@281.432,143.35 v1(281.432,144.272)
  Bottom Layer w1: 278.337,143.256 278.337,142.955 278.257,142.875 278.337,142.795 278.337,141.939 v1(278.601,141.675) 278.601,140.415 C2.1@278.604,140.412 C3.1@278.604,137.999 278.607,137.996 278.607,137.127 280.003,135.731 D4.1@280.068,135.731
  Bottom Layer w1.27: D4.1@280.068,135.731 280.1,135.763 Q3.3@283.605,135.763
VCC-1V2: C48.2 U7.22 | length 3.4
  Bottom Layer w0.2: C48.2@242.27,148.971 243.236,148.971 243.236,149.094 243.59,149.448 244.296,149.448 244.373,149.371 U7.22@245.321,149.371
VCC-3V3A: C20.1 C33.2 L3.2 R15.1 R16.1 R17.1 U7.4 U7.8 U7.11 U7.15 U7.17 U7.21 | length 33.6
  Top Layer w0.5: v1(243.84,147.066) v1(243.84,148.844) v1(243.84,151.003)
  Bottom Layer w0.3: C33.2@242.27,146.685 242.29,146.685 242.45,146.845 242.45,146.865 242.651,147.066 v1(243.84,147.066) ; v1(243.84,148.844) 244.412,148.844 244.439,148.871 U7.21@245.321,148.871 ; U7.17@245.321,146.871 244.089,146.871 243.894,147.066 v1(243.84,147.066) ; U7.11@247.309,143.383 247.309,144.765 ; U7.8@248.809,143.383 248.809,144.265 248.309,144.765 ; U7.4@250.809,143.383 250.809,144.265 ; R17.1@252.561,140.429 R16.1@253.788,140.429 ; R15.1@255.016,140.429 R16.1@253.788,140.429 ; v1(243.84,147.066) 243.84,146.177 244.146,145.871 U7.15@245.321,145.871 246.203,145.871 247.309,144.765 ; 247.309,144.765 248.309,144.765 ; 248.309,144.765 250.309,144.765 250.809,144.265 ; 250.809,144.265 251.014,144.471 252.604,144.471 253.788,143.286 R16.1@253.788,140.429
  Bottom Layer w0.5: L3.2@242.062,153.003 242.062,151.861 242.19,151.733 242.19,151.317 242.25,151.257 C20.1@242.27,151.257 243.586,151.257 v1(243.84,151.003)
VMID: C44.1 R41.2 U3.9 | length 10.7
  Top Layer w0.2: v1(200.279,186.182) 200.279,188.087 v1(202.692,190.5)
  Bottom Layer w0.2: C44.1@199.263,184.844 200.371,184.844 R41.2@200.406,184.879 200.279,185.006 v1(200.279,186.182) ; v1(202.692,190.5) 202.749,190.557 203.003,190.557 203.032,190.586 204.672,190.586 204.907,190.82 204.907,190.886 205.007,190.986 U3.9@205.007,191.311
XI: C22.1 R14.2 U7.30 Y1.1 | length 7.3
  Bottom Layer w0.2: Y1.1@248.88,157.345 248.63,157.095 248.481,157.095 247.904,156.518 C22.1@247.904,154.813 R14.2@249.113,154.813 249.309,154.617 U7.30@249.309,151.859
XO: C21.1 R14.1 U7.31 Y1.3 | length 6.3
  Bottom Layer w0.2: U7.31@249.809,151.859 249.809,154.584 250.038,154.813 R14.1@250.063,154.813 C21.1@251.254,154.813 ; Y1.3@250.23,156.345 250.255,156.345 251.044,155.556 251.044,155.023 C21.1@251.254,154.813 ; C21.1@251.274,154.813 C21.1@251.254,154.813
XTAL1: C34.1 U3.14 Y3.1 | length 7.1
  Bottom Layer w0.2: C34.1@197.739,192.845 199.553,192.845 Y3.1@199.779,192.619 200.029,192.369 200.029,192.22 200.305,191.944 201.253,191.944 202.945,193.636 U3.14@203.682,193.636
XTAL2: C35.1 U3.15 Y3.3 | length 6.6
  Bottom Layer w0.2: C35.1@197.739,194.056 198.717,194.056 199.305,194.644 200.253,194.644 200.529,194.368 200.529,194.219 Y3.3@200.779,193.969 202.109,193.969 202.276,194.136 U3.15@203.682,194.136
pads on no net: D3.3 J2.7 J2.8 J2.MH3 J2.MH4 U1.5 U3.2 U3.12 U3.13 U3.19 U3.20 U3.21 U3.22 U3.24 U3.31 U3.32 U3.33 U3.34 U3.35 U3.36 U4.3 U4.4 U4.5 U4.6 U4.7 U4.9 U4.10 U4.11 U4.12 U4.14 U4.20 U4.22 U4.24 U4.25 U4.26 U4.28 U4.29 U4.38 U4.40 U4.41 U4.42 U5.4 U5.5 U5.6 U5.7 U5.17 U5.18 U5.19 U5.20 U5.21 U5.22 U5.32 U6.2 U6.4 U6.5 U7.7 U7.12 U7.13 U7.18 U7.24 U7.26 U7.46 U7.47 Y1.2 Y1.4 Y3.2 Y3.4

## Polygon pours and split planes (outlines as drawn)
DGND on Bottom Layer "NONET_L02_P005" (solid, remove dead copper, shelved, pour order 5): 179.578,180.605 179.578,210.058 246.888,210.058 250.19,218.44 294.132,218.44 311.404,218.44 311.404,113.665 233.807,113.665 230.251,117.221 230.251,178.943 228.6,180.594
DGND on Bottom Layer "Polygon_2_Net_GND" (solid, remove dead copper, shelved, pour order 8): 203.567,190.373 203.567,174.653 209.307,174.653 209.307,190.373
PRE on Bottom Layer "NONET_L02_P004" (solid, shelved, pour order 4): 279.654,148.209 279.654,149.987 279.781,150.114 287.401,150.114 288.163,150.876 288.163,161.29 286.512,162.941 276.733,162.941 276.479,162.687 276.479,159.004 277.495,159.004 277.495,157.861 277.622,157.734 279.273,157.734 279.273,151.511 278.511,150.749 277.876,150.749 277.622,150.495 277.622,148.209
NetD1_1 on Bottom Layer "NONET_L02_P003" (solid, shelved, pour order 3): 279.146,157.353 279.146,151.384 278.765,151.003 278.13,151.003 277.622,150.495 277.622,148.209 276.352,148.209 276.352,157.353
3v3_dig@2A on Bottom Layer "NONET_L02_P002" (solid, shelved, pour order 2): 270.637,186.944 276.479,186.944 276.86,186.563 277.749,186.563 277.876,186.69 277.876,193.548 274.574,193.548 270.637,189.611
NetC4_1 on Bottom Layer "NONET_L02_P001" (solid, shelved, pour order 1): 278.003,185.42 278.003,185.039 277.876,184.912 276.733,184.912 275.082,183.261 275.082,181.102 274.32,180.34 270.51,180.34 269.24,181.61 269.24,183.769 269.621,184.15 270.891,185.42
OUT on Bottom Layer "NONET_L02_P000" (solid, shelved, pour order 0): 277.876,184.912 278.257,184.531 278.257,173.482 279.273,172.466 280.162,172.466 282.702,169.926 282.702,167.894 281.813,167.005 275.463,167.005 273.939,168.529 273.939,170.561 276.733,173.355 276.733,184.912
DGND on Top Layer "NONET_L01_P007" (solid, remove dead copper, shelved, pour order 7): 179.578,180.605 179.578,210.058 246.888,210.058 250.19,218.44 294.132,218.44 311.404,218.44 311.404,113.665 233.807,113.665 230.251,117.221 230.251,178.943 228.6,180.594

## Keep-outs
Bottom Layer:
  region: 209.612,119.626 208.342,119.626 208.342,124.706 209.612,124.706
  region: 204.786,119.626 203.516,119.626 203.516,124.706 204.786,124.706
  region: 188.022,125.214 187.514,125.722 187.514,173.982 188.022,174.49 224.598,174.49 225.36,173.982 225.36,125.722 224.852,125.214 188.022,125.214
Keep-Out Layer:
  the board outline again, w0.254

## Silkscreen, mask and mechanical layers (free items; w line width, h text height)
Top Overlay:
  circle w0.254: c183.467,208.28 r3.5
  circle w0.254: c307.464,208.28 r3.5
  circle w0.254: c307.467,139.283 r3.5
Bottom Overlay:
  text "ARCABOARD V2.0" at 227.965,205.74 h6
Mechanical 1:
  drawing of 18060 lines, arcs and shapes, not listed
  text "131,02" at 252.905,242.561 h3.5
  text "17,23" at 308.457,233.361 h3.5
  text "∅2,80" at 200.681,219.589 h3.5 r18.51
  text "Ampliación}" at 310.665,182.451 h2.5
  text "NFC" at 224.565,167.572 h3.5
  text "89,66" at 148.679,157.872 h3.5 r270
  text "89,66" at 333.418,157.682 h3.5 r270
  text "20,66" at 322.905,121.393 h3.5 r270
  text "3,00" at 198.147,111.021 h3.5
  text "127,00" at 249.419,105.396 h3.5

## Text inside footprints (layer, text, board x,y; h text height)
BUZ1: Mechanical 16 "+" at 296.85,191.262 h2.76
D5: Top Overlay "+" at 298.425,169.05 h0.8 r270
D6: Top Overlay "+" at 298.425,161.05 h0.8 r270
D7: Top Overlay "+" at 298.425,153.05 h0.8 r270
D8: Top Overlay "+" at 298.425,145.05 h0.8 r270